# KiCad board untitled.kicad_pcb (continued)
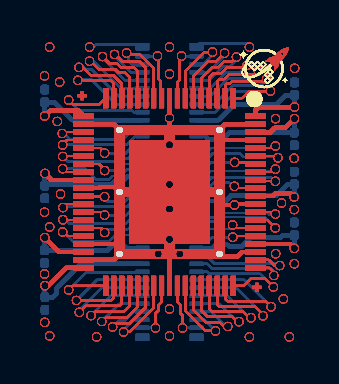
[diagram p0: board, top side]
## Routing (per net, layer and track width the routed paths; a pad name or vN(x,y) marks a point on that pad's centre or on a via; arc(x,y) is an arc through that point) (continued)
/PIN 22: length 136.3
  Top w0.1: 2.83,3.78 J158.32 ; 2.83,3.78 J158.32 ; 2.83,3.78 2.97,3.64 ; 2.83,3.78 2.97,3.64 ; 2.83,3.78 2.97,3.64 ; 2.83,3.78 2.97,3.64 ; 2.83,3.78 2.97,3.64 ; 2.83,3.78 2.97,3.64 ; 2.83,3.78 J158.32 ; 2.83,3.78 2.97,3.64 ; 2.83,3.78 J158.32 ; 2.83,3.78 J158.32 ; 2.83,3.78 J158.32 ; 2.83,3.78 2.97,3.64 ; 2.83,3.78 J158.32 ; 2.83,3.78 J158.32 ; 2.83,3.78 2.97,3.64 ; 2.83,3.78 2.97,3.64 ; 2.83,3.78 J158.32 ; 2.83,3.78 2.97,3.64 ; 2.83,3.78 J158.32 ; 2.83,3.78 J158.32 ; 2.83,3.78 J158.32 ; 2.83,3.78 2.97,3.64 ; 2.83,3.78 J158.32 ; 2.83,3.78 2.97,3.64 ; 2.83,3.78 J158.32 ; 2.83,3.78 2.97,3.64 ; 2.83,3.78 2.97,3.64 ; 2.83,3.78 J158.32 ; 2.83,3.78 J158.32 ; 2.83,3.78 J158.32 ; 2.83,3.78 J158.32 ; 2.83,3.78 J158.32 ; 2.83,3.78 J158.32 ; 2.83,3.78 J158.32 ; 2.83,3.78 2.97,3.64 ; 2.83,3.78 J158.32 ; 2.83,3.78 2.97,3.64 ; 2.83,3.78 J158.32 ; 2.83,3.78 2.97,3.64 ; 2.83,3.78 2.97,3.64 ; 2.83,3.78 J158.32 ; 2.83,3.78 2.97,3.64 ; 2.83,3.78 2.97,3.64 ; 2.83,3.78 2.97,3.64 ; 2.83,3.78 2.97,3.64 ; 2.83,3.78 2.97,3.64 ; 2.83,3.78 2.97,3.64 ; 2.83,3.78 J158.32 ; 2.83,3.78 J158.32 ; 2.83,3.78 2.97,3.64 ; 2.83,3.78 2.97,3.64 ; 2.83,3.78 2.97,3.64 ; 2.83,3.78 J158.32 ; 2.83,3.78 2.97,3.64 ; 2.83,3.78 J158.32 ; 2.83,3.78 J158.32 ; 2.83,3.78 J158.32 ; 2.83,3.78 J158.32 ; 2.83,3.78 J158.32 ; 2.83,3.78 J158.32 ; 2.83,3.78 J158.32 ; 2.83,3.78 2.97,3.64 ; 2.83,3.78 2.97,3.64 ; 2.83,3.78 2.97,3.64 ; 2.83,3.78 2.97,3.64 ; 2.83,3.78 2.97,3.64 ; 2.83,3.78 J158.32 ; 2.83,3.78 J158.32 ; 2.83,3.78 2.97,3.64 ; 2.83,3.78 2.97,3.64 ; 2.83,3.78 2.97,3.64 ; 2.83,3.78 J158.32 ; 2.83,3.78 J158.32 ; 2.83,3.78 2.97,3.64 ; 2.83,3.78 J158.32 ; 2.83,3.78 2.97,3.64 ; 2.83,3.78 J158.32 ; 2.83,3.78 2.97,3.64 ; 2.83,3.78 J158.32 ; 2.83,3.78 2.97,3.64 ; 2.83,3.78 2.97,3.64 ; 2.83,3.78 J158.32 ; 2.97,3.59 2.97,3.64 ; 2.97,3.59 2.97,3.64 ; 2.97,3.59 v1(3.01,3.55) ; 2.97,3.59 2.97,3.64 ; 2.97,3.59 v1(3.01,3.55) ; 2.97,3.59 v1(3.01,3.55) ; 2.97,3.59 2.97,3.64 ; 2.97,3.59 v1(3.01,3.55) ; 2.97,3.59 v1(3.01,3.55) ; 2.97,3.59 2.97,3.64 ; 2.97,3.59 2.97,3.64 ; 2.97,3.59 v1(3.01,3.55) ; 2.97,3.59 v1(3.01,3.55) ; 2.97,3.59 v1(3.01,3.55) ; 2.97,3.59 2.97,3.64 ; 2.97,3.59 v1(3.01,3.55) ; 2.97,3.59 2.97,3.64 ; 2.97,3.59 2.97,3.64 ; 2.97,3.59 v1(3.01,3.55) ; 2.97,3.59 v1(3.01,3.55) ; 2.97,3.59 v1(3.01,3.55) ; 2.97,3.59 v1(3.01,3.55) ; 2.97,3.59 2.97,3.64 ; 2.97,3.59 v1(3.01,3.55) ; 2.97,3.59 v1(3.01,3.55) ; 2.97,3.59 2.97,3.64 ; 2.97,3.59 2.97,3.64 ; 2.97,3.59 2.97,3.64 ; 2.97,3.59 v1(3.01,3.55) ; 2.97,3.59 2.97,3.64 ; 2.97,3.59 2.97,3.64 ; 2.97,3.59 2.97,3.64 ; 2.97,3.59 v1(3.01,3.55) ; 2.97,3.59 v1(3.01,3.55) ; 2.97,3.59 v1(3.01,3.55) ; 2.97,3.59 v1(3.01,3.55) ; 2.97,3.59 2.97,3.64 ; 2.97,3.59 v1(3.01,3.55) ; 2.97,3.59 2.97,3.64 ; 2.97,3.59 2.97,3.64 ; 2.97,3.59 v1(3.01,3.55) ; 2.97,3.59 2.97,3.64 ; 2.97,3.59 2.97,3.64 ; 2.97,3.59 v1(3.01,3.55) ; 2.97,3.59 2.97,3.64 ; 2.97,3.59 2.97,3.64 ; 2.97,3.59 2.97,3.64 ; 2.97,3.59 v1(3.01,3.55) ; 2.97,3.59 2.97,3.64 ; 2.97,3.59 v1(3.01,3.55) ; 2.97,3.59 2.97,3.64 ; 2.97,3.59 v1(3.01,3.55) ; 2.97,3.59 2.97,3.64 ; 2.97,3.59 v1(3.01,3.55) ; 2.97,3.59 2.97,3.64 ; 2.97,3.59 2.97,3.64 ; 2.97,3.59 2.97,3.64 ; 2.97,3.59 v1(3.01,3.55) ; 2.97,3.59 2.97,3.64 ; 2.97,3.59 2.97,3.64 ; 2.97,3.59 v1(3.01,3.55) ; 2.97,3.59 2.97,3.64 ; 2.97,3.59 v1(3.01,3.55) ; 2.97,3.59 2.97,3.64 ; 2.97,3.59 v1(3.01,3.55) ; 2.97,3.59 v1(3.01,3.55) ; 2.97,3.59 v1(3.01,3.55) ; 2.97,3.59 2.97,3.64 ; 2.97,3.59 v1(3.01,3.55) ; 2.97,3.59 v1(3.01,3.55) ; 2.97,3.59 v1(3.01,3.55) ; 2.97,3.59 2.97,3.64 ; 2.97,3.59 v1(3.01,3.55) ; 2.97,3.59 2.97,3.64 ; 2.97,3.59 v1(3.01,3.55) ; 2.97,3.59 2.97,3.64 ; 2.97,3.59 2.97,3.64 ; 2.97,3.59 v1(3.01,3.55) ; 2.97,3.59 v1(3.01,3.55) ; 2.97,3.59 v1(3.01,3.55) ; 2.97,3.59 v1(3.01,3.55) ; 2.97,3.59 2.97,3.64 ; 2.97,3.59 2.97,3.64 ; 2.97,3.59 2.97,3.64
  Bottom w0.1: 4.45,3.98 J173.49 ; 4.45,3.98 J173.49 ; 4.45,3.98 4.2,3.73 ; 4.45,3.98 4.2,3.73 ; 4.45,3.98 J173.49 ; 4.45,3.98 J173.49 ; 4.45,3.98 4.2,3.73 ; 4.45,3.98 4.2,3.73 ; 4.45,3.98 4.2,3.73 ; 4.45,3.98 J173.49 ; 4.45,3.98 J173.49 ; 4.45,3.98 J173.49 ; 4.45,3.98 4.2,3.73 ; 4.45,3.98 J173.49 ; 4.45,3.98 4.2,3.73 ; 4.45,3.98 4.2,3.73 ; 4.45,3.98 J173.49 ; 4.45,3.98 4.2,3.73 ; 4.45,3.98 J173.49 ; 4.45,3.98 4.2,3.73 ; 4.45,3.98 4.2,3.73 ; 4.45,3.98 J173.49 ; 4.45,3.98 4.2,3.73 ; 4.45,3.98 4.2,3.73 ; 4.45,3.98 J173.49 ; 4.45,3.98 4.2,3.73 ; 4.45,3.98 J173.49 ; 4.45,3.98 4.2,3.73 ; 4.45,3.98 J173.49 ; 4.45,3.98 J173.49 ; 4.45,3.98 4.2,3.73 ; 4.45,3.98 4.2,3.73 ; 4.45,3.98 4.2,3.73 ; 4.45,3.98 4.2,3.73 ; 4.45,3.98 J173.49 ; 4.45,3.98 4.2,3.73 ; 4.45,3.98 J173.49 ; 4.45,3.98 4.2,3.73 ; 4.45,3.98 4.2,3.73 ; 4.45,3.98 J173.49 ; 4.45,3.98 J173.49 ; 4.45,3.98 J173.49 ; 4.45,3.98 4.2,3.73 ; 4.45,3.98 J173.49 ; 4.45,3.98 J173.49 ; 4.45,3.98 J173.49 ; 4.45,3.98 4.2,3.73 ; 4.45,3.98 J173.49 ; 4.45,3.98 4.2,3.73 ; 4.45,3.98 4.2,3.73 ; 4.45,3.98 4.2,3.73 ; 4.45,3.98 J173.49 ; 4.45,3.98 4.2,3.73 ; 4.45,3.98 4.2,3.73 ; 4.45,3.98 4.2,3.73 ; 4.45,3.98 J173.49 ; 4.45,3.98 J173.49 ; 4.45,3.98 4.2,3.73 ; 4.45,3.98 J173.49 ; 4.45,3.98 J173.49 ; 4.45,3.98 4.2,3.73 ; 4.45,3.98 J173.49 ; 4.45,3.98 J173.49 ; 4.45,3.98 4.2,3.73 ; 4.45,3.98 J173.49 ; 4.45,3.98 4.2,3.73 ; 4.45,3.98 4.2,3.73 ; 4.45,3.98 J173.49 ; 4.45,3.98 J173.49 ; 4.45,3.98 4.2,3.73 ; 4.45,3.98 J173.49 ; 4.45,3.98 4.2,3.73 ; 4.45,3.98 4.2,3.73 ; 4.45,3.98 4.2,3.73 ; 4.45,3.98 4.2,3.73 ; 4.45,3.98 J173.49 ; 4.45,3.98 J173.49 ; 4.45,3.98 4.2,3.73 ; 4.45,3.98 J173.49 ; 4.45,3.98 J173.49 ; 4.45,3.98 J173.49 ; 4.45,3.98 J173.49 ; 4.45,3.98 J173.49 ; 4.45,3.98 4.2,3.73 ; 3.06,3.55 3.23,3.73 ; 3.06,3.55 v1(3.01,3.55) ; 3.06,3.55 v1(3.01,3.55) ; 3.06,3.55 3.23,3.73 ; 3.06,3.55 v1(3.01,3.55) ; 3.06,3.55 3.23,3.73 ; 3.06,3.55 v1(3.01,3.55) ; 3.06,3.55 v1(3.01,3.55) ; 3.06,3.55 3.23,3.73 ; 3.06,3.55 v1(3.01,3.55) ; 3.06,3.55 3.23,3.73 ; 3.06,3.55 3.23,3.73 ; 3.06,3.55 3.23,3.73 ; 3.06,3.55 v1(3.01,3.55) ; 3.06,3.55 3.23,3.73 ; 3.06,3.55 v1(3.01,3.55) ; 3.06,3.55 v1(3.01,3.55) ; 3.06,3.55 3.23,3.73 ; 3.06,3.55 3.23,3.73 ; 3.06,3.55 v1(3.01,3.55) ; 3.06,3.55 3.23,3.73 ; 3.06,3.55 3.23,3.73 ; 3.06,3.55 v1(3.01,3.55) ; 3.06,3.55 3.23,3.73 ; 3.06,3.55 3.23,3.73 ; 3.06,3.55 v1(3.01,3.55) ; 3.06,3.55 v1(3.01,3.55) ; 3.06,3.55 v1(3.01,3.55) ; 3.06,3.55 v1(3.01,3.55) ; 3.06,3.55 3.23,3.73 ; 3.06,3.55 3.23,3.73 ; 3.06,3.55 v1(3.01,3.55) ; 3.06,3.55 3.23,3.73 ; 3.06,3.55 v1(3.01,3.55) ; 3.06,3.55 v1(3.01,3.55) ; 3.06,3.55 v1(3.01,3.55) ; 3.06,3.55 v1(3.01,3.55) ; 3.06,3.55 3.23,3.73 ; 3.06,3.55 v1(3.01,3.55) ; 3.06,3.55 3.23,3.73 ; 3.06,3.55 3.23,3.73 ; 3.06,3.55 3.23,3.73 ; 3.06,3.55 v1(3.01,3.55) ; 3.06,3.55 3.23,3.73 ; 3.06,3.55 v1(3.01,3.55) ; 3.06,3.55 3.23,3.73 ; 3.06,3.55 v1(3.01,3.55) ; 3.06,3.55 v1(3.01,3.55) ; 3.06,3.55 3.23,3.73 ; 3.06,3.55 v1(3.01,3.55) ; 3.06,3.55 3.23,3.73 ; 3.06,3.55 v1(3.01,3.55) ; 3.06,3.55 3.23,3.73 ; 3.06,3.55 3.23,3.73 ; 3.06,3.55 v1(3.01,3.55) ; 3.06,3.55 3.23,3.73 ; 3.06,3.55 v1(3.01,3.55) ; 3.06,3.55 v1(3.01,3.55) ; 3.06,3.55 v1(3.01,3.55) ; 3.06,3.55 3.23,3.73 ; 3.06,3.55 3.23,3.73 ; 3.06,3.55 v1(3.01,3.55) ; 3.06,3.55 3.23,3.73 ; 3.06,3.55 3.23,3.73 ; 3.06,3.55 v1(3.01,3.55) ; 3.06,3.55 3.23,3.73 ; 3.06,3.55 v1(3.01,3.55) ; 3.06,3.55 v1(3.01,3.55) ; 3.06,3.55 v1(3.01,3.55) ; 3.06,3.55 v1(3.01,3.55) ; 3.06,3.55 3.23,3.73 ; 3.06,3.55 3.23,3.73 ; 3.06,3.55 3.23,3.73 ; 3.06,3.55 v1(3.01,3.55) ; 3.06,3.55 v1(3.01,3.55) ; 3.06,3.55 v1(3.01,3.55) ; 3.06,3.55 3.23,3.73 ; 3.06,3.55 3.23,3.73 ; 3.06,3.55 3.23,3.73 ; 3.06,3.55 v1(3.01,3.55) ; 3.06,3.55 3.23,3.73 ; 3.06,3.55 3.23,3.73 ; 3.06,3.55 3.23,3.73 ; 3.06,3.55 v1(3.01,3.55) ; 3.23,3.73 4.17,3.73 ; 3.23,3.73 4.17,3.73 ; 3.23,3.73 4.17,3.73 ; 3.23,3.73 4.17,3.73 ; 3.23,3.73 4.17,3.73 ; 3.23,3.73 4.17,3.73 ; 3.23,3.73 4.17,3.73 ; 3.23,3.73 4.17,3.73 ; 3.23,3.73 4.17,3.73 ; 3.23,3.73 4.17,3.73 ; 3.23,3.73 4.17,3.73 ; 3.23,3.73 4.17,3.73 ; 3.23,3.73 4.17,3.73 ; 3.23,3.73 4.17,3.73 ; 3.23,3.73 4.17,3.73 ; 3.23,3.73 4.17,3.73 ; 3.23,3.73 4.17,3.73 ; 3.23,3.73 4.17,3.73 ; 3.23,3.73 4.17,3.73 ; 3.23,3.73 4.17,3.73 ; 3.23,3.73 4.17,3.73 ; 3.23,3.73 4.17,3.73 ; 3.23,3.73 4.17,3.73 ; 3.23,3.73 4.17,3.73 ; 3.23,3.73 4.17,3.73 ; 3.23,3.73 4.17,3.73 ; 3.23,3.73 4.17,3.73 ; 3.23,3.73 4.17,3.73 ; 3.23,3.73 4.17,3.73 ; 3.23,3.73 4.17,3.73 ; 3.23,3.73 4.17,3.73 ; 3.23,3.73 4.17,3.73 ; 3.23,3.73 4.17,3.73 ; 3.23,3.73 4.17,3.73 ; 3.23,3.73 4.17,3.73 ; 3.23,3.73 4.17,3.73 ; 3.23,3.73 4.17,3.73 ; 3.23,3.73 4.17,3.73 ; 3.23,3.73 4.17,3.73 ; 3.23,3.73 4.17,3.73 ; 3.23,3.73 4.17,3.73 ; 3.23,3.73 4.17,3.73 ; 4.17,3.73 4.17,3.73 ; 4.17,3.73 4.17,3.73 ; 4.17,3.73 4.17,3.73 ; 4.17,3.73 4.17,3.73 ; 4.17,3.73 4.17,3.73 ; 4.17,3.73 4.17,3.73 ; 4.17,3.73 4.17,3.73 ; 4.17,3.73 4.17,3.73 ; 4.17,3.73 4.17,3.73 ; 4.17,3.73 4.17,3.73 ; 4.17,3.73 4.17,3.73 ; 4.17,3.73 4.17,3.73 ; 4.17,3.73 4.17,3.73 ; 4.17,3.73 4.17,3.73 ; 4.17,3.73 4.17,3.73 ; 4.17,3.73 4.17,3.73 ; 4.17,3.73 4.17,3.73 ; 4.17,3.73 4.17,3.73 ; 4.17,3.73 4.17,3.73 ; 4.17,3.73 4.17,3.73 ; 4.17,3.73 4.17,3.73 ; 4.17,3.73 4.17,3.73 ; 4.17,3.73 4.17,3.73 ; 4.17,3.73 4.17,3.73 ; 4.17,3.73 4.17,3.73 ; 4.17,3.73 4.17,3.73 ; 4.17,3.73 4.17,3.73 ; 4.17,3.73 4.17,3.73 ; 4.17,3.73 4.17,3.73 ; 4.17,3.73 4.17,3.73 ; 4.17,3.73 4.17,3.73 ; 4.17,3.73 4.17,3.73 ; 4.17,3.73 4.17,3.73 ; 4.17,3.73 4.17,3.73 ; 4.17,3.73 4.17,3.73 ; 4.17,3.73 4.17,3.73 ; 4.17,3.73 4.17,3.73 ; 4.17,3.73 4.17,3.73 ; 4.17,3.73 4.17,3.73 ; 4.17,3.73 4.17,3.73 ; 4.17,3.73 4.17,3.73 ; 4.17,3.73 4.17,3.73 ; 4.17,3.73 4.2,3.73 ; 4.17,3.73 4.2,3.73 ; 4.17,3.73 4.2,3.73 ; 4.17,3.73 4.2,3.73 ; 4.17,3.73 4.2,3.73 ; 4.17,3.73 4.2,3.73 ; 4.17,3.73 4.2,3.73 ; 4.17,3.73 4.2,3.73 ; 4.17,3.73 4.2,3.73 ; 4.17,3.73 4.2,3.73 ; 4.17,3.73 4.2,3.73 ; 4.17,3.73 4.2,3.73 ; 4.17,3.73 4.2,3.73 ; 4.17,3.73 4.2,3.73 ; 4.17,3.73 4.2,3.73 ; 4.17,3.73 4.2,3.73 ; 4.17,3.73 4.2,3.73 ; 4.17,3.73 4.2,3.73 ; 4.17,3.73 4.2,3.73 ; 4.17,3.73 4.2,3.73 ; 4.17,3.73 4.2,3.73 ; 4.17,3.73 4.2,3.73 ; 4.17,3.73 4.2,3.73 ; 4.17,3.73 4.2,3.73 ; 4.17,3.73 4.2,3.73 ; 4.17,3.73 4.2,3.73 ; 4.17,3.73 4.2,3.73 ; 4.17,3.73 4.2,3.73 ; 4.17,3.73 4.2,3.73 ; 4.17,3.73 4.2,3.73 ; 4.17,3.73 4.2,3.73 ; 4.17,3.73 4.2,3.73 ; 4.17,3.73 4.2,3.73 ; 4.17,3.73 4.2,3.73 ; 4.17,3.73 4.2,3.73 ; 4.17,3.73 4.2,3.73 ; 4.17,3.73 4.2,3.73 ; 4.17,3.73 4.2,3.73 ; 4.17,3.73 4.2,3.73 ; 4.17,3.73 4.2,3.73 ; 4.17,3.73 4.2,3.73 ; 4.17,3.73 4.2,3.73
/PIN 23: length 231.5
  Top w0.1: v1(0.91,3.58) 0.96,3.58 ; v1(0.91,3.58) 0.96,3.58 ; v1(0.91,3.58) 0.96,3.58 ; v1(0.91,3.58) 0.96,3.58 ; v1(0.91,3.58) 0.96,3.58 ; v1(0.91,3.58) 0.96,3.58 ; v1(0.91,3.58) 0.96,3.58 ; v1(0.91,3.58) 0.96,3.58 ; v1(0.91,3.58) 0.96,3.58 ; v1(0.91,3.58) 0.96,3.58 ; v1(0.91,3.58) 0.96,3.58 ; v1(0.91,3.58) 0.96,3.58 ; v1(0.91,3.58) 0.96,3.58 ; v1(0.91,3.58) 0.96,3.58 ; v1(0.91,3.58) 0.96,3.58 ; v1(0.91,3.58) 0.96,3.58 ; v1(0.91,3.58) 0.96,3.58 ; v1(0.91,3.58) 0.96,3.58 ; v1(0.91,3.58) 0.96,3.58 ; v1(0.91,3.58) 0.96,3.58 ; v1(0.91,3.58) 0.96,3.58 ; v1(0.91,3.58) 0.96,3.58 ; v1(0.91,3.58) 0.96,3.58 ; v1(0.91,3.58) 0.96,3.58 ; v1(0.91,3.58) 0.96,3.58 ; v1(0.91,3.58) 0.96,3.58 ; v1(0.91,3.58) 0.96,3.58 ; v1(0.91,3.58) 0.96,3.58 ; v1(0.91,3.58) 0.96,3.58 ; v1(0.91,3.58) 0.96,3.58 ; v1(0.91,3.58) 0.96,3.58 ; v1(0.91,3.58) 0.96,3.58 ; v1(0.91,3.58) 0.96,3.58 ; v1(0.91,3.58) 0.96,3.58 ; v1(0.91,3.58) 0.96,3.58 ; v1(0.91,3.58) 0.96,3.58 ; v1(0.91,3.58) 0.96,3.58 ; v1(0.91,3.58) 0.96,3.58 ; v1(0.91,3.58) 0.96,3.58 ; v1(0.91,3.58) 0.96,3.58 ; v1(0.91,3.58) 0.96,3.58 ; v1(0.91,3.58) 0.96,3.58 ; 0.96,3.58 1.16,3.38 ; 0.96,3.58 1.16,3.38 ; 0.96,3.58 1.16,3.38 ; 0.96,3.58 1.16,3.38 ; 0.96,3.58 1.16,3.38 ; 0.96,3.58 1.16,3.38 ; 0.96,3.58 1.16,3.38 ; 0.96,3.58 1.16,3.38 ; 0.96,3.58 1.16,3.38 ; 0.96,3.58 1.16,3.38 ; 0.96,3.58 1.16,3.38 ; 0.96,3.58 1.16,3.38 ; 0.96,3.58 1.16,3.38 ; 0.96,3.58 1.16,3.38 ; 0.96,3.58 1.16,3.38 ; 0.96,3.58 1.16,3.38 ; 0.96,3.58 1.16,3.38 ; 0.96,3.58 1.16,3.38 ; 0.96,3.58 1.16,3.38 ; 0.96,3.58 1.16,3.38 ; 0.96,3.58 1.16,3.38 ; 0.96,3.58 1.16,3.38 ; 0.96,3.58 1.16,3.38 ; 0.96,3.58 1.16,3.38 ; 0.96,3.58 1.16,3.38 ; 0.96,3.58 1.16,3.38 ; 0.96,3.58 1.16,3.38 ; 0.96,3.58 1.16,3.38 ; 0.96,3.58 1.16,3.38 ; 0.96,3.58 1.16,3.38 ; 0.96,3.58 1.16,3.38 ; 0.96,3.58 1.16,3.38 ; 0.96,3.58 1.16,3.38 ; 0.96,3.58 1.16,3.38 ; 0.96,3.58 1.16,3.38 ; 0.96,3.58 1.16,3.38 ; 0.96,3.58 1.16,3.38 ; 0.96,3.58 1.16,3.38 ; 0.96,3.58 1.16,3.38 ; 0.96,3.58 1.16,3.38 ; 0.96,3.58 1.16,3.38 ; 0.96,3.58 1.16,3.38 ; 1.16,3.38 J158.33 ; 1.16,3.38 J158.33 ; 1.16,3.38 J158.33 ; 1.16,3.38 J158.33 ; 1.16,3.38 J158.33 ; 1.16,3.38 J158.33 ; 1.16,3.38 J158.33 ; 1.16,3.38 J158.33 ; 1.16,3.38 J158.33 ; 1.16,3.38 J158.33 ; 1.16,3.38 J158.33 ; 1.16,3.38 J158.33 ; 1.16,3.38 J158.33 ; 1.16,3.38 J158.33 ; 1.16,3.38 J158.33 ; 1.16,3.38 J158.33 ; 1.16,3.38 J158.33 ; 1.16,3.38 J158.33 ; 1.16,3.38 J158.33 ; 1.16,3.38 J158.33 ; 1.16,3.38 J158.33 ; 1.16,3.38 J158.33 ; 1.16,3.38 J158.33 ; 1.16,3.38 J158.33 ; 1.16,3.38 J158.33 ; 1.16,3.38 J158.33 ; 1.16,3.38 J158.33 ; 1.16,3.38 J158.33 ; 1.16,3.38 J158.33 ; 1.16,3.38 J158.33 ; 1.16,3.38 J158.33 ; 1.16,3.38 J158.33 ; 1.16,3.38 J158.33 ; 1.16,3.38 J158.33 ; 1.16,3.38 J158.33 ; 1.16,3.38 J158.33 ; 1.16,3.38 J158.33 ; 1.16,3.38 J158.33 ; 1.16,3.38 J158.33 ; 1.16,3.38 J158.33 ; 1.16,3.38 J158.33 ; 1.16,3.38 J158.33
  Bottom w0.1: 4.45,3.58 J173.48 ; 4.45,3.58 J173.48 ; 4.45,3.58 J173.48 ; 4.45,3.58 J173.48 ; 4.45,3.58 J173.48 ; 4.45,3.58 4.3,3.43 ; 4.45,3.58 4.3,3.43 ; 4.45,3.58 J173.48 ; 4.45,3.58 J173.48 ; 4.45,3.58 4.3,3.43 ; 4.45,3.58 J173.48 ; 4.45,3.58 4.3,3.43 ; 4.45,3.58 J173.48 ; 4.45,3.58 J173.48 ; 4.45,3.58 J173.48 ; 4.45,3.58 J173.48 ; 4.45,3.58 4.3,3.43 ; 4.45,3.58 4.3,3.43 ; 4.45,3.58 4.3,3.43 ; 4.45,3.58 J173.48 ; 4.45,3.58 4.3,3.43 ; 4.45,3.58 J173.48 ; 4.45,3.58 4.3,3.43 ; 4.45,3.58 4.3,3.43 ; 4.45,3.58 J173.48 ; 4.45,3.58 J173.48 ; 4.45,3.58 4.3,3.43 ; 4.45,3.58 4.3,3.43 ; 4.45,3.58 J173.48 ; 4.45,3.58 J173.48 ; 4.45,3.58 J173.48 ; 4.45,3.58 J173.48 ; 4.45,3.58 4.3,3.43 ; 4.45,3.58 J173.48 ; 4.45,3.58 J173.48 ; 4.45,3.58 4.3,3.43 ; 4.45,3.58 J173.48 ; 4.45,3.58 4.3,3.43 ; 4.45,3.58 4.3,3.43 ; 4.45,3.58 J173.48 ; 4.45,3.58 J173.48 ; 4.45,3.58 J173.48 ; 4.45,3.58 4.3,3.43 ; 4.45,3.58 4.3,3.43 ; 4.45,3.58 4.3,3.43 ; 4.45,3.58 4.3,3.43 ; 4.45,3.58 4.3,3.43 ; 4.45,3.58 J173.48 ; 4.45,3.58 4.3,3.43 ; 4.45,3.58 4.3,3.43 ; 4.45,3.58 J173.48 ; 4.45,3.58 J173.48 ; 4.45,3.58 4.3,3.43 ; 4.45,3.58 J173.48 ; 4.45,3.58 J173.48 ; 4.45,3.58 4.3,3.43 ; 4.45,3.58 J173.48 ; 4.45,3.58 J173.48 ; 4.45,3.58 4.3,3.43 ; 4.45,3.58 J173.48 ; 4.45,3.58 J173.48 ; 4.45,3.58 4.3,3.43 ; 4.45,3.58 4.3,3.43 ; 4.45,3.58 J173.48 ; 4.45,3.58 4.3,3.43 ; 4.45,3.58 4.3,3.43 ; 4.45,3.58 4.3,3.43 ; 4.45,3.58 J173.48 ; 4.45,3.58 4.3,3.43 ; 4.45,3.58 4.3,3.43 ; 4.45,3.58 4.3,3.43 ; 4.45,3.58 J173.48 ; 4.45,3.58 4.3,3.43 ; 4.45,3.58 J173.48 ; 4.45,3.58 J173.48 ; 4.45,3.58 4.3,3.43 ; 4.45,3.58 4.3,3.43 ; 4.45,3.58 J173.48 ; 4.45,3.58 J173.48 ; 4.45,3.58 4.3,3.43 ; 4.45,3.58 4.3,3.43 ; 4.45,3.58 4.3,3.43 ; 4.45,3.58 4.3,3.43 ; 4.45,3.58 4.3,3.43 ; v1(0.91,3.58) 0.96,3.58 ; v1(0.91,3.58) 0.96,3.58 ; v1(0.91,3.58) 0.96,3.58 ; v1(0.91,3.58) 0.96,3.58 ; v1(0.91,3.58) 0.96,3.58 ; v1(0.91,3.58) 0.96,3.58 ; v1(0.91,3.58) 0.96,3.58 ; v1(0.91,3.58) 0.96,3.58 ; v1(0.91,3.58) 0.96,3.58 ; v1(0.91,3.58) 0.96,3.58 ; v1(0.91,3.58) 0.96,3.58 ; v1(0.91,3.58) 0.96,3.58 ; v1(0.91,3.58) 0.96,3.58 ; v1(0.91,3.58) 0.96,3.58 ; v1(0.91,3.58) 0.96,3.58 ; v1(0.91,3.58) 0.96,3.58 ; v1(0.91,3.58) 0.96,3.58 ; v1(0.91,3.58) 0.96,3.58 ; v1(0.91,3.58) 0.96,3.58 ; v1(0.91,3.58) 0.96,3.58 ; v1(0.91,3.58) 0.96,3.58 ; v1(0.91,3.58) 0.96,3.58 ; v1(0.91,3.58) 0.96,3.58 ; v1(0.91,3.58) 0.96,3.58 ; v1(0.91,3.58) 0.96,3.58 ; v1(0.91,3.58) 0.96,3.58 ; v1(0.91,3.58) 0.96,3.58 ; v1(0.91,3.58) 0.96,3.58 ; v1(0.91,3.58) 0.96,3.58 ; v1(0.91,3.58) 0.96,3.58 ; v1(0.91,3.58) 0.96,3.58 ; v1(0.91,3.58) 0.96,3.58 ; v1(0.91,3.58) 0.96,3.58 ; v1(0.91,3.58) 0.96,3.58 ; v1(0.91,3.58) 0.96,3.58 ; v1(0.91,3.58) 0.96,3.58 ; v1(0.91,3.58) 0.96,3.58 ; v1(0.91,3.58) 0.96,3.58 ; v1(0.91,3.58) 0.96,3.58 ; v1(0.91,3.58) 0.96,3.58 ; v1(0.91,3.58) 0.96,3.58 ; v1(0.91,3.58) 0.96,3.58 ; 0.96,3.58 1.42,3.12 ; 0.96,3.58 1.42,3.12 ; 0.96,3.58 1.42,3.12 ; 0.96,3.58 1.42,3.12 ; 0.96,3.58 1.42,3.12 ; 0.96,3.58 1.42,3.12 ; 0.96,3.58 1.42,3.12 ; 0.96,3.58 1.42,3.12 ; 0.96,3.58 1.42,3.12 ; 0.96,3.58 1.42,3.12 ; 0.96,3.58 1.42,3.12 ; 0.96,3.58 1.42,3.12 ; 0.96,3.58 1.42,3.12 ; 0.96,3.58 1.42,3.12 ; 0.96,3.58 1.42,3.12 ; 0.96,3.58 1.42,3.12 ; 0.96,3.58 1.42,3.12 ; 0.96,3.58 1.42,3.12 ; 0.96,3.58 1.42,3.12 ; 0.96,3.58 1.42,3.12 ; 0.96,3.58 1.42,3.12 ; 0.96,3.58 1.42,3.12 ; 0.96,3.58 1.42,3.12 ; 0.96,3.58 1.42,3.12 ; 0.96,3.58 1.42,3.12 ; 0.96,3.58 1.42,3.12 ; 0.96,3.58 1.42,3.12 ; 0.96,3.58 1.42,3.12 ; 0.96,3.58 1.42,3.12 ; 0.96,3.58 1.42,3.12 ; 0.96,3.58 1.42,3.12 ; 0.96,3.58 1.42,3.12 ; 0.96,3.58 1.42,3.12 ; 0.96,3.58 1.42,3.12 ; 0.96,3.58 1.42,3.12 ; 0.96,3.58 1.42,3.12 ; 0.96,3.58 1.42,3.12 ; 0.96,3.58 1.42,3.12 ; 0.96,3.58 1.42,3.12 ; 0.96,3.58 1.42,3.12 ; 0.96,3.58 1.42,3.12 ; 0.96,3.58 1.42,3.12 ; 1.42,3.12 3.25,3.12 ; 1.42,3.12 3.25,3.12 ; 1.42,3.12 3.25,3.12 ; 1.42,3.12 3.25,3.12 ; 1.42,3.12 3.25,3.12 ; 1.42,3.12 3.25,3.12 ; 1.42,3.12 3.25,3.12 ; 1.42,3.12 3.25,3.12 ; 1.42,3.12 3.25,3.12 ; 1.42,3.12 3.25,3.12 ; 1.42,3.12 3.25,3.12 ; 1.42,3.12 3.25,3.12 ; 1.42,3.12 3.25,3.12 ; 1.42,3.12 3.25,3.12 ; 1.42,3.12 3.25,3.12 ; 1.42,3.12 3.25,3.12 ; 1.42,3.12 3.25,3.12 ; 1.42,3.12 3.25,3.12 ; 1.42,3.12 3.25,3.12 ; 1.42,3.12 3.25,3.12 ; 1.42,3.12 3.25,3.12 ; 1.42,3.12 3.25,3.12 ; 1.42,3.12 3.25,3.12 ; 1.42,3.12 3.25,3.12 ; 1.42,3.12 3.25,3.12 ; 1.42,3.12 3.25,3.12 ; 1.42,3.12 3.25,3.12 ; 1.42,3.12 3.25,3.12 ; 1.42,3.12 3.25,3.12 ; 1.42,3.12 3.25,3.12 ; 1.42,3.12 3.25,3.12 ; 1.42,3.12 3.25,3.12 ; 1.42,3.12 3.25,3.12 ; 1.42,3.12 3.25,3.12 ; 1.42,3.12 3.25,3.12 ; 1.42,3.12 3.25,3.12 ; 1.42,3.12 3.25,3.12 ; 1.42,3.12 3.25,3.12 ; 1.42,3.12 3.25,3.12 ; 1.42,3.12 3.25,3.12 ; 1.42,3.12 3.25,3.12 ; 1.42,3.12 3.25,3.12 ; 3.25,3.12 3.56,3.43 ; 3.25,3.12 3.56,3.43 ; 3.25,3.12 3.56,3.43 ; 3.25,3.12 3.56,3.43 ; 3.25,3.12 3.56,3.43 ; 3.25,3.12 3.56,3.43 ; 3.25,3.12 3.56,3.43 ; 3.25,3.12 3.56,3.43 ; 3.25,3.12 3.56,3.43 ; 3.25,3.12 3.56,3.43 ; 3.25,3.12 3.56,3.43 ; 3.25,3.12 3.56,3.43 ; 3.25,3.12 3.56,3.43 ; 3.25,3.12 3.56,3.43 ; 3.25,3.12 3.56,3.43 ; 3.25,3.12 3.56,3.43 ; 3.25,3.12 3.56,3.43 ; 3.25,3.12 3.56,3.43 ; 3.25,3.12 3.56,3.43 ; 3.25,3.12 3.56,3.43 ; 3.25,3.12 3.56,3.43 ; 3.25,3.12 3.56,3.43 ; 3.25,3.12 3.56,3.43 ; 3.25,3.12 3.56,3.43 ; 3.25,3.12 3.56,3.43 ; 3.25,3.12 3.56,3.43 ; 3.25,3.12 3.56,3.43 ; 3.25,3.12 3.56,3.43 ; 3.25,3.12 3.56,3.43 ; 3.25,3.12 3.56,3.43 ; 3.25,3.12 3.56,3.43 ; 3.25,3.12 3.56,3.43 ; 3.25,3.12 3.56,3.43 ; 3.25,3.12 3.56,3.43 ; 3.25,3.12 3.56,3.43 ; 3.25,3.12 3.56,3.43 ; 3.25,3.12 3.56,3.43 ; 3.25,3.12 3.56,3.43 ; 3.25,3.12 3.56,3.43 ; 3.25,3.12 3.56,3.43 ; 3.25,3.12 3.56,3.43 ; 3.25,3.12 3.56,3.43 ; 4.3,3.43 3.56,3.43 ; 4.3,3.43 3.56,3.43 ; 4.3,3.43 3.56,3.43 ; 4.3,3.43 3.56,3.43 ; 4.3,3.43 3.56,3.43 ; 4.3,3.43 3.56,3.43 ; 4.3,3.43 3.56,3.43 ; 4.3,3.43 3.56,3.43 ; 4.3,3.43 3.56,3.43 ; 4.3,3.43 3.56,3.43 ; 4.3,3.43 3.56,3.43 ; 4.3,3.43 3.56,3.43 ; 4.3,3.43 3.56,3.43 ; 4.3,3.43 3.56,3.43 ; 4.3,3.43 3.56,3.43 ; 4.3,3.43 3.56,3.43 ; 4.3,3.43 3.56,3.43 ; 4.3,3.43 3.56,3.43 ; 4.3,3.43 3.56,3.43 ; 4.3,3.43 3.56,3.43 ; 4.3,3.43 3.56,3.43 ; 4.3,3.43 3.56,3.43 ; 4.3,3.43 3.56,3.43 ; 4.3,3.43 3.56,3.43 ; 4.3,3.43 3.56,3.43 ; 4.3,3.43 3.56,3.43 ; 4.3,3.43 3.56,3.43 ; 4.3,3.43 3.56,3.43 ; 4.3,3.43 3.56,3.43 ; 4.3,3.43 3.56,3.43 ; 4.3,3.43 3.56,3.43 ; 4.3,3.43 3.56,3.43 ; 4.3,3.43 3.56,3.43 ; 4.3,3.43 3.56,3.43 ; 4.3,3.43 3.56,3.43 ; 4.3,3.43 3.56,3.43 ; 4.3,3.43 3.56,3.43 ; 4.3,3.43 3.56,3.43 ; 4.3,3.43 3.56,3.43 ; 4.3,3.43 3.56,3.43 ; 4.3,3.43 3.56,3.43 ; 4.3,3.43 3.56,3.43
/PIN 25: length 337.6
  Top w0.2: 0.73,2.58 J158.35 ; 0.73,2.58 J158.35 ; 0.73,2.58 v1(0.01,3.3) ; 0.73,2.58 v1(0.01,3.3) ; 0.73,2.58 J158.35 ; 0.73,2.58 v1(0.01,3.3) ; 0.73,2.58 v1(0.01,3.3) ; 0.73,2.58 J158.35 ; 0.73,2.58 J158.35 ; 0.73,2.58 J158.35 ; 0.73,2.58 J158.35 ; 0.73,2.58 J158.35 ; 0.73,2.58 J158.35 ; 0.73,2.58 v1(0.01,3.3) ; 0.73,2.58 v1(0.01,3.3) ; 0.73,2.58 v1(0.01,3.3) ; 0.73,2.58 J158.35 ; 0.73,2.58 J158.35 ; 0.73,2.58 J158.35 ; 0.73,2.58 v1(0.01,3.3) ; 0.73,2.58 J158.35 ; 0.73,2.58 v1(0.01,3.3) ; 0.73,2.58 J158.35 ; 0.73,2.58 v1(0.01,3.3) ; 0.73,2.58 J158.35 ; 0.73,2.58 J158.35 ; 0.73,2.58 v1(0.01,3.3) ; 0.73,2.58 v1(0.01,3.3) ; 0.73,2.58 v1(0.01,3.3) ; 0.73,2.58 J158.35 ; 0.73,2.58 v1(0.01,3.3) ; 0.73,2.58 v1(0.01,3.3) ; 0.73,2.58 v1(0.01,3.3) ; 0.73,2.58 J158.35 ; 0.73,2.58 v1(0.01,3.3) ; 0.73,2.58 v1(0.01,3.3) ; 0.73,2.58 J158.35 ; 0.73,2.58 J158.35 ; 0.73,2.58 v1(0.01,3.3) ; 0.73,2.58 J158.35 ; 0.73,2.58 v1(0.01,3.3) ; 0.73,2.58 v1(0.01,3.3) ; 0.73,2.58 v1(0.01,3.3) ; 0.73,2.58 J158.35 ; 0.73,2.58 v1(0.01,3.3) ; 0.73,2.58 J158.35 ; 0.73,2.58 v1(0.01,3.3) ; 0.73,2.58 v1(0.01,3.3) ; 0.73,2.58 J158.35 ; 0.73,2.58 J158.35 ; 0.73,2.58 J158.35 ; 0.73,2.58 v1(0.01,3.3) ; 0.73,2.58 v1(0.01,3.3) ; 0.73,2.58 v1(0.01,3.3) ; 0.73,2.58 J158.35 ; 0.73,2.58 v1(0.01,3.3) ; 0.73,2.58 J158.35 ; 0.73,2.58 J158.35 ; 0.73,2.58 v1(0.01,3.3) ; 0.73,2.58 v1(0.01,3.3) ; 0.73,2.58 v1(0.01,3.3) ; 0.73,2.58 v1(0.01,3.3) ; 0.73,2.58 v1(0.01,3.3) ; 0.73,2.58 v1(0.01,3.3) ; 0.73,2.58 v1(0.01,3.3) ; 0.73,2.58 v1(0.01,3.3) ; 0.73,2.58 J158.35 ; 0.73,2.58 J158.35 ; 0.73,2.58 J158.35 ; 0.73,2.58 v1(0.01,3.3) ; 0.73,2.58 J158.35 ; 0.73,2.58 v1(0.01,3.3) ; 0.73,2.58 J158.35 ; 0.73,2.58 J158.35 ; 0.73,2.58 J158.35 ; 0.73,2.58 J158.35 ; 0.73,2.58 v1(0.01,3.3) ; 0.73,2.58 J158.35 ; 0.73,2.58 J158.35 ; 0.73,2.58 J158.35 ; 0.73,2.58 J158.35 ; 0.73,2.58 J158.35 ; 0.73,2.58 v1(0.01,3.3) ; 0.73,2.58 v1(0.01,3.3)
  Bottom w0.2: 4.1,2.78 3.89,2.99 ; 4.1,2.78 J173.46 ; 4.1,2.78 3.89,2.99 ; 4.1,2.78 3.89,2.99 ; 4.1,2.78 3.89,2.99 ; 4.1,2.78 J173.46 ; 4.1,2.78 J173.46 ; 4.1,2.78 3.89,2.99 ; 4.1,2.78 J173.46 ; 4.1,2.78 J173.46 ; 4.1,2.78 3.89,2.99 ; 4.1,2.78 3.89,2.99 ; 4.1,2.78 J173.46 ; 4.1,2.78 J173.46 ; 4.1,2.78 3.89,2.99 ; 4.1,2.78 J173.46 ; 4.1,2.78 3.89,2.99 ; 4.1,2.78 J173.46 ; 4.1,2.78 J173.46 ; 4.1,2.78 J173.46 ; 4.1,2.78 J173.46 ; 4.1,2.78 J173.46 ; 4.1,2.78 J173.46 ; 4.1,2.78 J173.46 ; 4.1,2.78 J173.46 ; 4.1,2.78 3.89,2.99 ; 4.1,2.78 J173.46 ; 4.1,2.78 3.89,2.99 ; 4.1,2.78 3.89,2.99 ; 4.1,2.78 J173.46 ; 4.1,2.78 J173.46 ; 4.1,2.78 J173.46 ; 4.1,2.78 J173.46 ; 4.1,2.78 J173.46 ; 4.1,2.78 3.89,2.99 ; 4.1,2.78 3.89,2.99 ; 4.1,2.78 J173.46 ; 4.1,2.78 3.89,2.99 ; 4.1,2.78 3.89,2.99 ; 4.1,2.78 J173.46 ; 4.1,2.78 3.89,2.99 ; 4.1,2.78 J173.46 ; 4.1,2.78 3.89,2.99 ; 4.1,2.78 J173.46 ; 4.1,2.78 J173.46 ; 4.1,2.78 J173.46 ; 4.1,2.78 3.89,2.99 ; 4.1,2.78 3.89,2.99 ; 4.1,2.78 3.89,2.99 ; 4.1,2.78 3.89,2.99 ; 4.1,2.78 J173.46 ; 4.1,2.78 3.89,2.99 ; 4.1,2.78 3.89,2.99 ; 4.1,2.78 J173.46 ; 4.1,2.78 3.89,2.99 ; 4.1,2.78 3.89,2.99 ; 4.1,2.78 J173.46 ; 4.1,2.78 3.89,2.99 ; 4.1,2.78 3.89,2.99 ; 4.1,2.78 3.89,2.99 ; 4.1,2.78 J173.46 ; 4.1,2.78 3.89,2.99 ; 4.1,2.78 J173.46 ; 4.1,2.78 3.89,2.99 ; 4.1,2.78 3.89,2.99 ; 4.1,2.78 J173.46 ; 4.1,2.78 3.89,2.99 ; 4.1,2.78 J173.46 ; 4.1,2.78 3.89,2.99 ; 4.1,2.78 3.89,2.99 ; 4.1,2.78 3.89,2.99 ; 4.1,2.78 3.89,2.99 ; 4.1,2.78 3.89,2.99 ; 4.1,2.78 3.89,2.99 ; 4.1,2.78 3.89,2.99 ; 4.1,2.78 J173.46 ; 4.1,2.78 J173.46 ; 4.1,2.78 J173.46 ; 4.1,2.78 3.89,2.99 ; 4.1,2.78 J173.46 ; 4.1,2.78 J173.46 ; 4.1,2.78 J173.46 ; 4.1,2.78 J173.46 ; 4.1,2.78 3.89,2.99 ; 3.89,2.99 3.47,2.99 ; 3.89,2.99 3.47,2.99 ; 3.89,2.99 3.47,2.99 ; 3.89,2.99 3.47,2.99 ; 3.89,2.99 3.47,2.99 ; 3.89,2.99 3.47,2.99 ; 3.89,2.99 3.47,2.99 ; 3.89,2.99 3.47,2.99 ; 3.89,2.99 3.47,2.99 ; 3.89,2.99 3.47,2.99 ; 3.89,2.99 3.47,2.99 ; 3.89,2.99 3.47,2.99 ; 3.89,2.99 3.47,2.99 ; 3.89,2.99 3.47,2.99 ; 3.89,2.99 3.47,2.99 ; 3.89,2.99 3.47,2.99 ; 3.89,2.99 3.47,2.99 ; 3.89,2.99 3.47,2.99 ; 3.89,2.99 3.47,2.99 ; 3.89,2.99 3.47,2.99 ; 3.89,2.99 3.47,2.99 ; 3.89,2.99 3.47,2.99 ; 3.89,2.99 3.47,2.99 ; 3.89,2.99 3.47,2.99 ; 3.89,2.99 3.47,2.99 ; 3.89,2.99 3.47,2.99 ; 3.89,2.99 3.47,2.99 ; 3.89,2.99 3.47,2.99 ; 3.89,2.99 3.47,2.99 ; 3.89,2.99 3.47,2.99 ; 3.89,2.99 3.47,2.99 ; 3.89,2.99 3.47,2.99 ; 3.89,2.99 3.47,2.99 ; 3.89,2.99 3.47,2.99 ; 3.89,2.99 3.47,2.99 ; 3.89,2.99 3.47,2.99 ; 3.89,2.99 3.47,2.99 ; 3.89,2.99 3.47,2.99 ; 3.89,2.99 3.47,2.99 ; 3.89,2.99 3.47,2.99 ; 3.89,2.99 3.47,2.99 ; 3.89,2.99 3.47,2.99 ; 3.12,2.64 2.22,2.64 ; 3.12,2.64 3.47,2.99 ; 3.12,2.64 2.22,2.64 ; 3.12,2.64 2.22,2.64 ; 3.12,2.64 2.22,2.64 ; 3.12,2.64 2.22,2.64 ; 3.12,2.64 3.47,2.99 ; 3.12,2.64 2.22,2.64 ; 3.12,2.64 2.22,2.64 ; 3.12,2.64 2.22,2.64 ; 3.12,2.64 2.22,2.64 ; 3.12,2.64 3.47,2.99 ; 3.12,2.64 3.47,2.99 ; 3.12,2.64 3.47,2.99 ; 3.12,2.64 3.47,2.99 ; 3.12,2.64 3.47,2.99 ; 3.12,2.64 3.47,2.99 ; 3.12,2.64 2.22,2.64 ; 3.12,2.64 3.47,2.99 ; 3.12,2.64 3.47,2.99 ; 3.12,2.64 2.22,2.64 ; 3.12,2.64 3.47,2.99 ; 3.12,2.64 3.47,2.99 ; 3.12,2.64 3.47,2.99 ; 3.12,2.64 3.47,2.99 ; 3.12,2.64 2.22,2.64 ; 3.12,2.64 3.47,2.99 ; 3.12,2.64 2.22,2.64 ; 3.12,2.64 2.22,2.64 ; 3.12,2.64 3.47,2.99 ; 3.12,2.64 3.47,2.99 ; 3.12,2.64 2.22,2.64 ; 3.12,2.64 2.22,2.64 ; 3.12,2.64 2.22,2.64 ; 3.12,2.64 2.22,2.64 ; 3.12,2.64 2.22,2.64 ; 3.12,2.64 3.47,2.99 ; 3.12,2.64 2.22,2.64 ; 3.12,2.64 2.22,2.64 ; 3.12,2.64 3.47,2.99 ; 3.12,2.64 3.47,2.99 ; 3.12,2.64 2.22,2.64 ; 3.12,2.64 2.22,2.64 ; 3.12,2.64 3.47,2.99 ; 3.12,2.64 2.22,2.64 ; 3.12,2.64 3.47,2.99 ; 3.12,2.64 2.22,2.64 ; 3.12,2.64 3.47,2.99 ; 3.12,2.64 2.22,2.64 ; 3.12,2.64 2.22,2.64 ; 3.12,2.64 3.47,2.99 ; 3.12,2.64 3.47,2.99 ; 3.12,2.64 2.22,2.64 ; 3.12,2.64 2.22,2.64 ; 3.12,2.64 3.47,2.99 ; 3.12,2.64 3.47,2.99 ; 3.12,2.64 3.47,2.99 ; 3.12,2.64 2.22,2.64 ; 3.12,2.64 3.47,2.99 ; 3.12,2.64 3.47,2.99 ; 3.12,2.64 3.47,2.99 ; 3.12,2.64 2.22,2.64 ; 3.12,2.64 2.22,2.64 ; 3.12,2.64 2.22,2.64 ; 3.12,2.64 2.22,2.64 ; 3.12,2.64 3.47,2.99 ; 3.12,2.64 2.22,2.64 ; 3.12,2.64 3.47,2.99 ; 3.12,2.64 2.22,2.64 ; 3.12,2.64 2.22,2.64 ; 3.12,2.64 3.47,2.99 ; 3.12,2.64 3.47,2.99 ; 3.12,2.64 2.22,2.64 ; 3.12,2.64 3.47,2.99 ; 3.12,2.64 3.47,2.99 ; 3.12,2.64 3.47,2.99 ; 3.12,2.64 2.22,2.64 ; 3.12,2.64 2.22,2.64 ; 3.12,2.64 3.47,2.99 ; 3.12,2.64 3.47,2.99 ; 3.12,2.64 3.47,2.99 ; 3.12,2.64 3.47,2.99 ; 3.12,2.64 2.22,2.64 ; 3.12,2.64 2.22,2.64 ; 2.22,2.64 2.2,2.66 ; 2.22,2.64 2.2,2.66 ; 2.22,2.64 2.2,2.66 ; 2.22,2.64 2.2,2.66 ; 2.22,2.64 2.2,2.66 ; 2.22,2.64 2.2,2.66 ; 2.22,2.64 2.2,2.66 ; 2.22,2.64 2.2,2.66 ; 2.22,2.64 2.2,2.66 ; 2.22,2.64 2.2,2.66 ; 2.22,2.64 2.2,2.66 ; 2.22,2.64 2.2,2.66 ; 2.22,2.64 2.2,2.66 ; 2.22,2.64 2.2,2.66 ; 2.22,2.64 2.2,2.66 ; 2.22,2.64 2.2,2.66 ; 2.22,2.64 2.2,2.66 ; 2.22,2.64 2.2,2.66 ; 2.22,2.64 2.2,2.66 ; 2.22,2.64 2.2,2.66 ; 2.22,2.64 2.2,2.66 ; 2.22,2.64 2.2,2.66 ; 2.22,2.64 2.2,2.66 ; 2.22,2.64 2.2,2.66 ; 2.22,2.64 2.2,2.66 ; 2.22,2.64 2.2,2.66 ; 2.22,2.64 2.2,2.66 ; 2.22,2.64 2.2,2.66 ; 2.22,2.64 2.2,2.66 ; 2.22,2.64 2.2,2.66 ; 2.22,2.64 2.2,2.66 ; 2.22,2.64 2.2,2.66 ; 2.22,2.64 2.2,2.66 ; 2.22,2.64 2.2,2.66 ; 2.22,2.64 2.2,2.66 ; 2.22,2.64 2.2,2.66 ; 2.22,2.64 2.2,2.66 ; 2.22,2.64 2.2,2.66 ; 2.22,2.64 2.2,2.66 ; 2.22,2.64 2.2,2.66 ; 2.22,2.64 2.2,2.66 ; 2.22,2.64 2.2,2.66 ; 2.2,2.66 C215.1 ; 2.2,2.66 C215.1 ; 2.2,2.66 C215.1 ; 2.2,2.66 C215.1 ; 2.2,2.66 C215.1 ; 2.2,2.66 C215.1 ; 2.2,2.66 C215.1 ; 2.2,2.66 C215.1 ; 2.2,2.66 C215.1 ; 2.2,2.66 C215.1 ; 2.2,2.66 C215.1 ; 2.2,2.66 C215.1 ; 2.2,2.66 C215.1 ; 2.2,2.66 C215.1 ; 2.2,2.66 C215.1 ; 2.2,2.66 C215.1 ; 2.2,2.66 C215.1 ; 2.2,2.66 C215.1 ; 2.2,2.66 C215.1 ; 2.2,2.66 C215.1 ; 2.2,2.66 C215.1 ; 2.2,2.66 C215.1 ; 2.2,2.66 C215.1 ; 2.2,2.66 C215.1 ; 2.2,2.66 C215.1 ; 2.2,2.66 C215.1 ; 2.2,2.66 C215.1 ; 2.2,2.66 C215.1 ; 2.2,2.66 C215.1 ; 2.2,2.66 C215.1 ; 2.2,2.66 C215.1 ; 2.2,2.66 C215.1 ; 2.2,2.66 C215.1 ; 2.2,2.66 C215.1 ; 2.2,2.66 C215.1 ; 2.2,2.66 C215.1 ; 2.2,2.66 C215.1 ; 2.2,2.66 C215.1 ; 2.2,2.66 C215.1 ; 2.2,2.66 C215.1 ; 2.2,2.66 C215.1 ; 2.2,2.66 C215.1 ; C215.1 0,3.29 ; C215.1 0,3.29 ; C215.1 0,3.29 ; C215.1 0,3.29 ; C215.1 0,3.29 ; C215.1 0,3.29 ; C215.1 0,3.29 ; C215.1 0,3.29 ; C215.1 0,3.29 ; C215.1 0,3.29 ; C215.1 0,3.29 ; C215.1 0,3.29 ; C215.1 0,3.29 ; C215.1 0,3.29 ; C215.1 0,3.29 ; C215.1 0,3.29 ; C215.1 0,3.29 ; C215.1 0,3.29 ; C215.1 0,3.29 ; C215.1 0,3.29 ; C215.1 0,3.29 ; C215.1 0,3.29 ; C215.1 0,3.29 ; C215.1 0,3.29 ; C215.1 0,3.29 ; C215.1 0,3.29 ; C215.1 0,3.29 ; C215.1 0,3.29 ; C215.1 0,3.29 ; C215.1 0,3.29 ; C215.1 0,3.29 ; C215.1 0,3.29 ; C215.1 0,3.29 ; C215.1 0,3.29 ; C215.1 0,3.29 ; C215.1 0,3.29 ; C215.1 0,3.29 ; C215.1 0,3.29 ; C215.1 0,3.29 ; C215.1 0,3.29 ; C215.1 0,3.29 ; C215.1 0,3.29 ; 0,3.29 v1(0.01,3.3) ; 0,3.29 v1(0.01,3.3) ; 0,3.29 v1(0.01,3.3) ; 0,3.29 v1(0.01,3.3) ; 0,3.29 v1(0.01,3.3) ; 0,3.29 v1(0.01,3.3) ; 0,3.29 v1(0.01,3.3) ; 0,3.29 v1(0.01,3.3) ; 0,3.29 v1(0.01,3.3) ; 0,3.29 v1(0.01,3.3) ; 0,3.29 v1(0.01,3.3) ; 0,3.29 v1(0.01,3.3) ; 0,3.29 v1(0.01,3.3) ; 0,3.29 v1(0.01,3.3) ; 0,3.29 v1(0.01,3.3) ; 0,3.29 v1(0.01,3.3) ; 0,3.29 v1(0.01,3.3) ; 0,3.29 v1(0.01,3.3) ; 0,3.29 v1(0.01,3.3) ; 0,3.29 v1(0.01,3.3) ; 0,3.29 v1(0.01,3.3) ; 0,3.29 v1(0.01,3.3) ; 0,3.29 v1(0.01,3.3) ; 0,3.29 v1(0.01,3.3) ; 0,3.29 v1(0.01,3.3) ; 0,3.29 v1(0.01,3.3) ; 0,3.29 v1(0.01,3.3) ; 0,3.29 v1(0.01,3.3) ; 0,3.29 v1(0.01,3.3) ; 0,3.29 v1(0.01,3.3) ; 0,3.29 v1(0.01,3.3) ; 0,3.29 v1(0.01,3.3) ; 0,3.29 v1(0.01,3.3) ; 0,3.29 v1(0.01,3.3) ; 0,3.29 v1(0.01,3.3) ; 0,3.29 v1(0.01,3.3) ; 0,3.29 v1(0.01,3.3) ; 0,3.29 v1(0.01,3.3) ; 0,3.29 v1(0.01,3.3) ; 0,3.29 v1(0.01,3.3) ; 0,3.29 v1(0.01,3.3) ; 0,3.29 v1(0.01,3.3)